# Altium PCB Cueing-PCB-Mk3_552024.PcbDoc
Units mm, origin at the board's own origin, x right, y up, seen from the top; angles counter-clockwise.
Board outline 67.06 x 65.41 mm, 4 copper layers (Top Layer, Int1 (GND), Int2 (PWR), Bottom Layer), stack 1.586 mm thick; 96 components, 76 nets, 376 pads, 95 vias.
Unrouted connection lines stored in the file: 118.
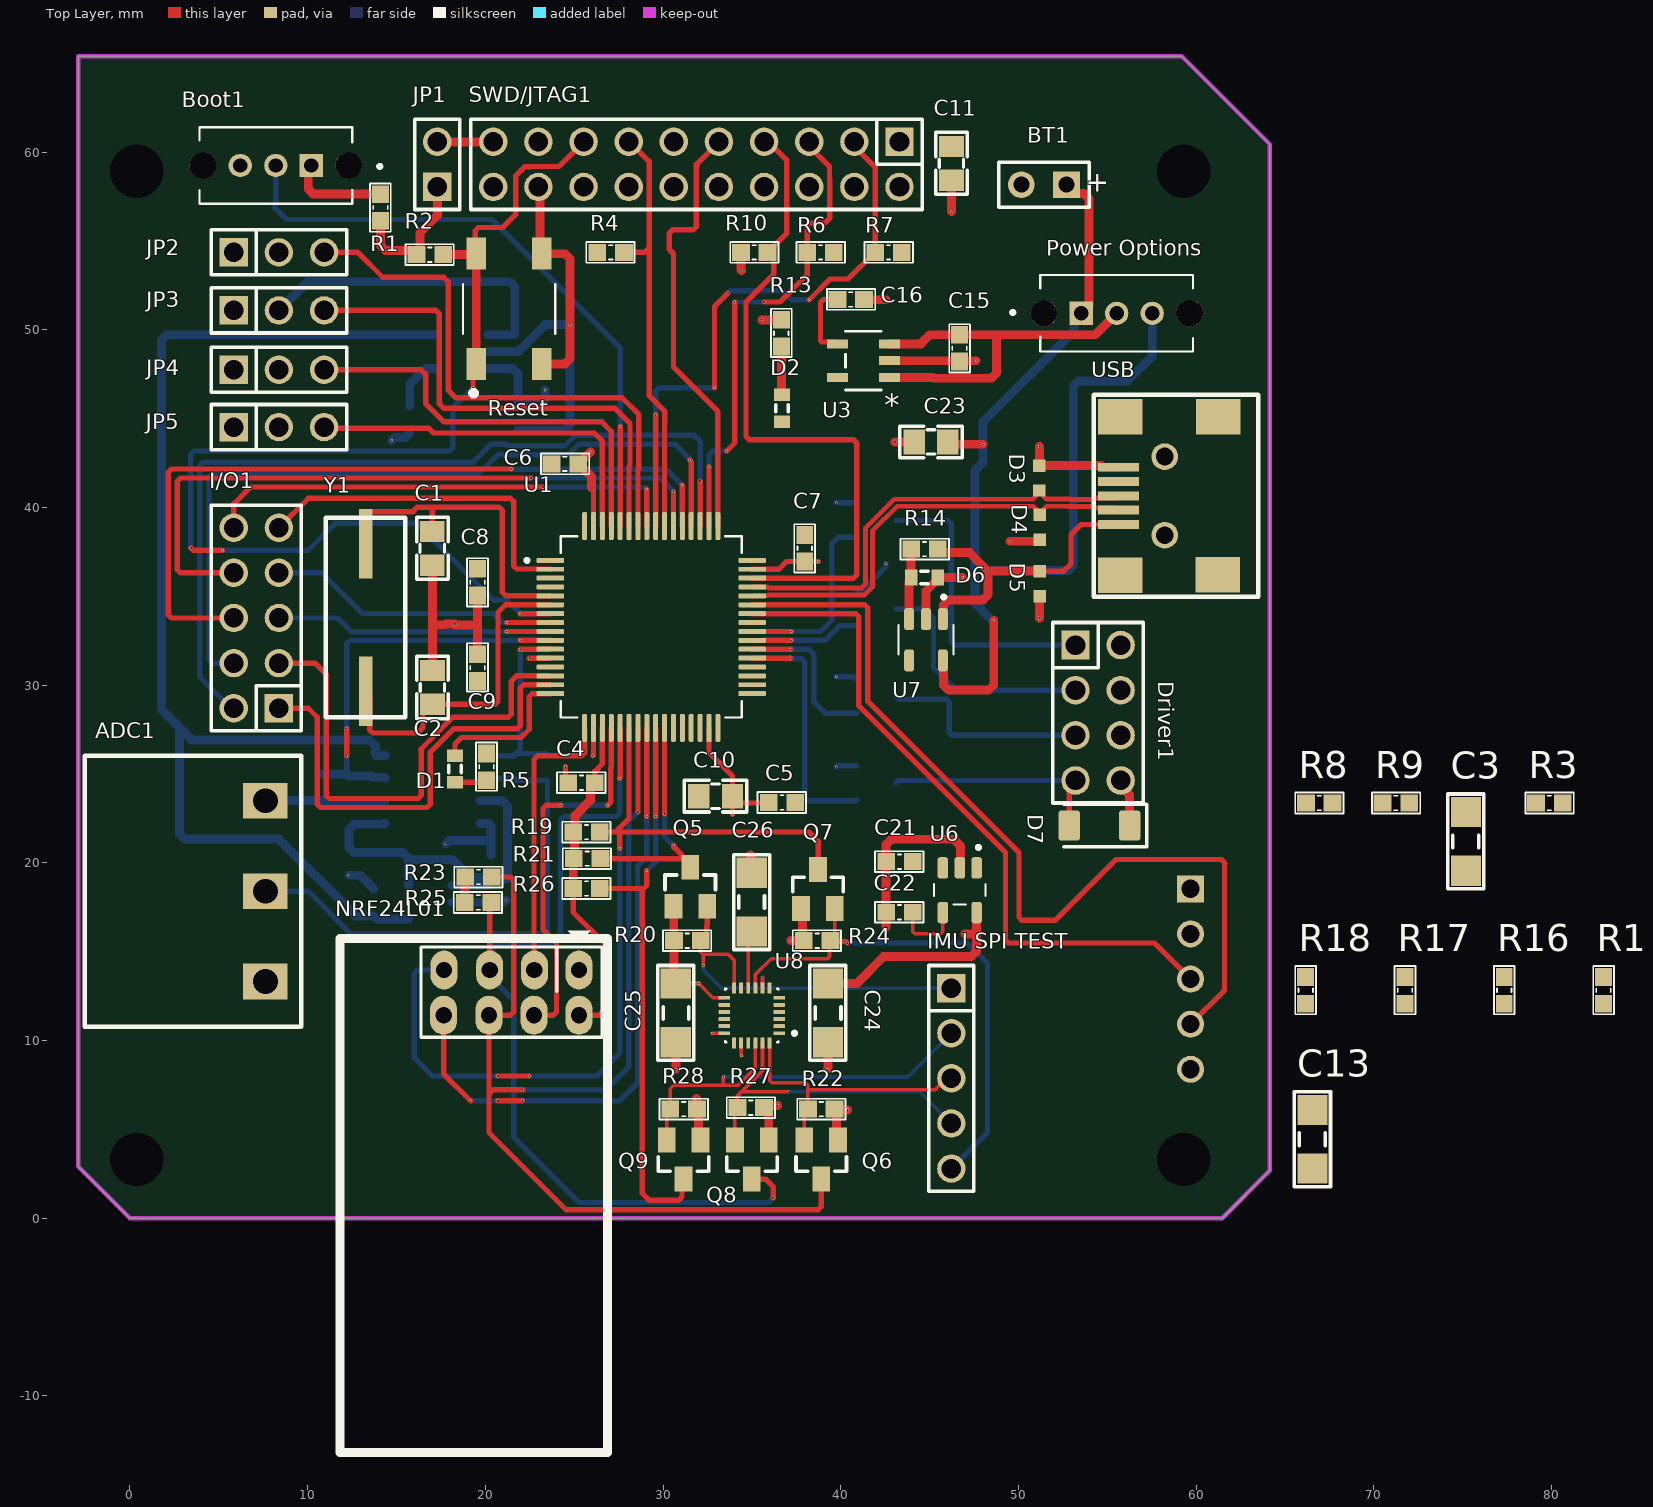
[diagram p0: Top Layer view]
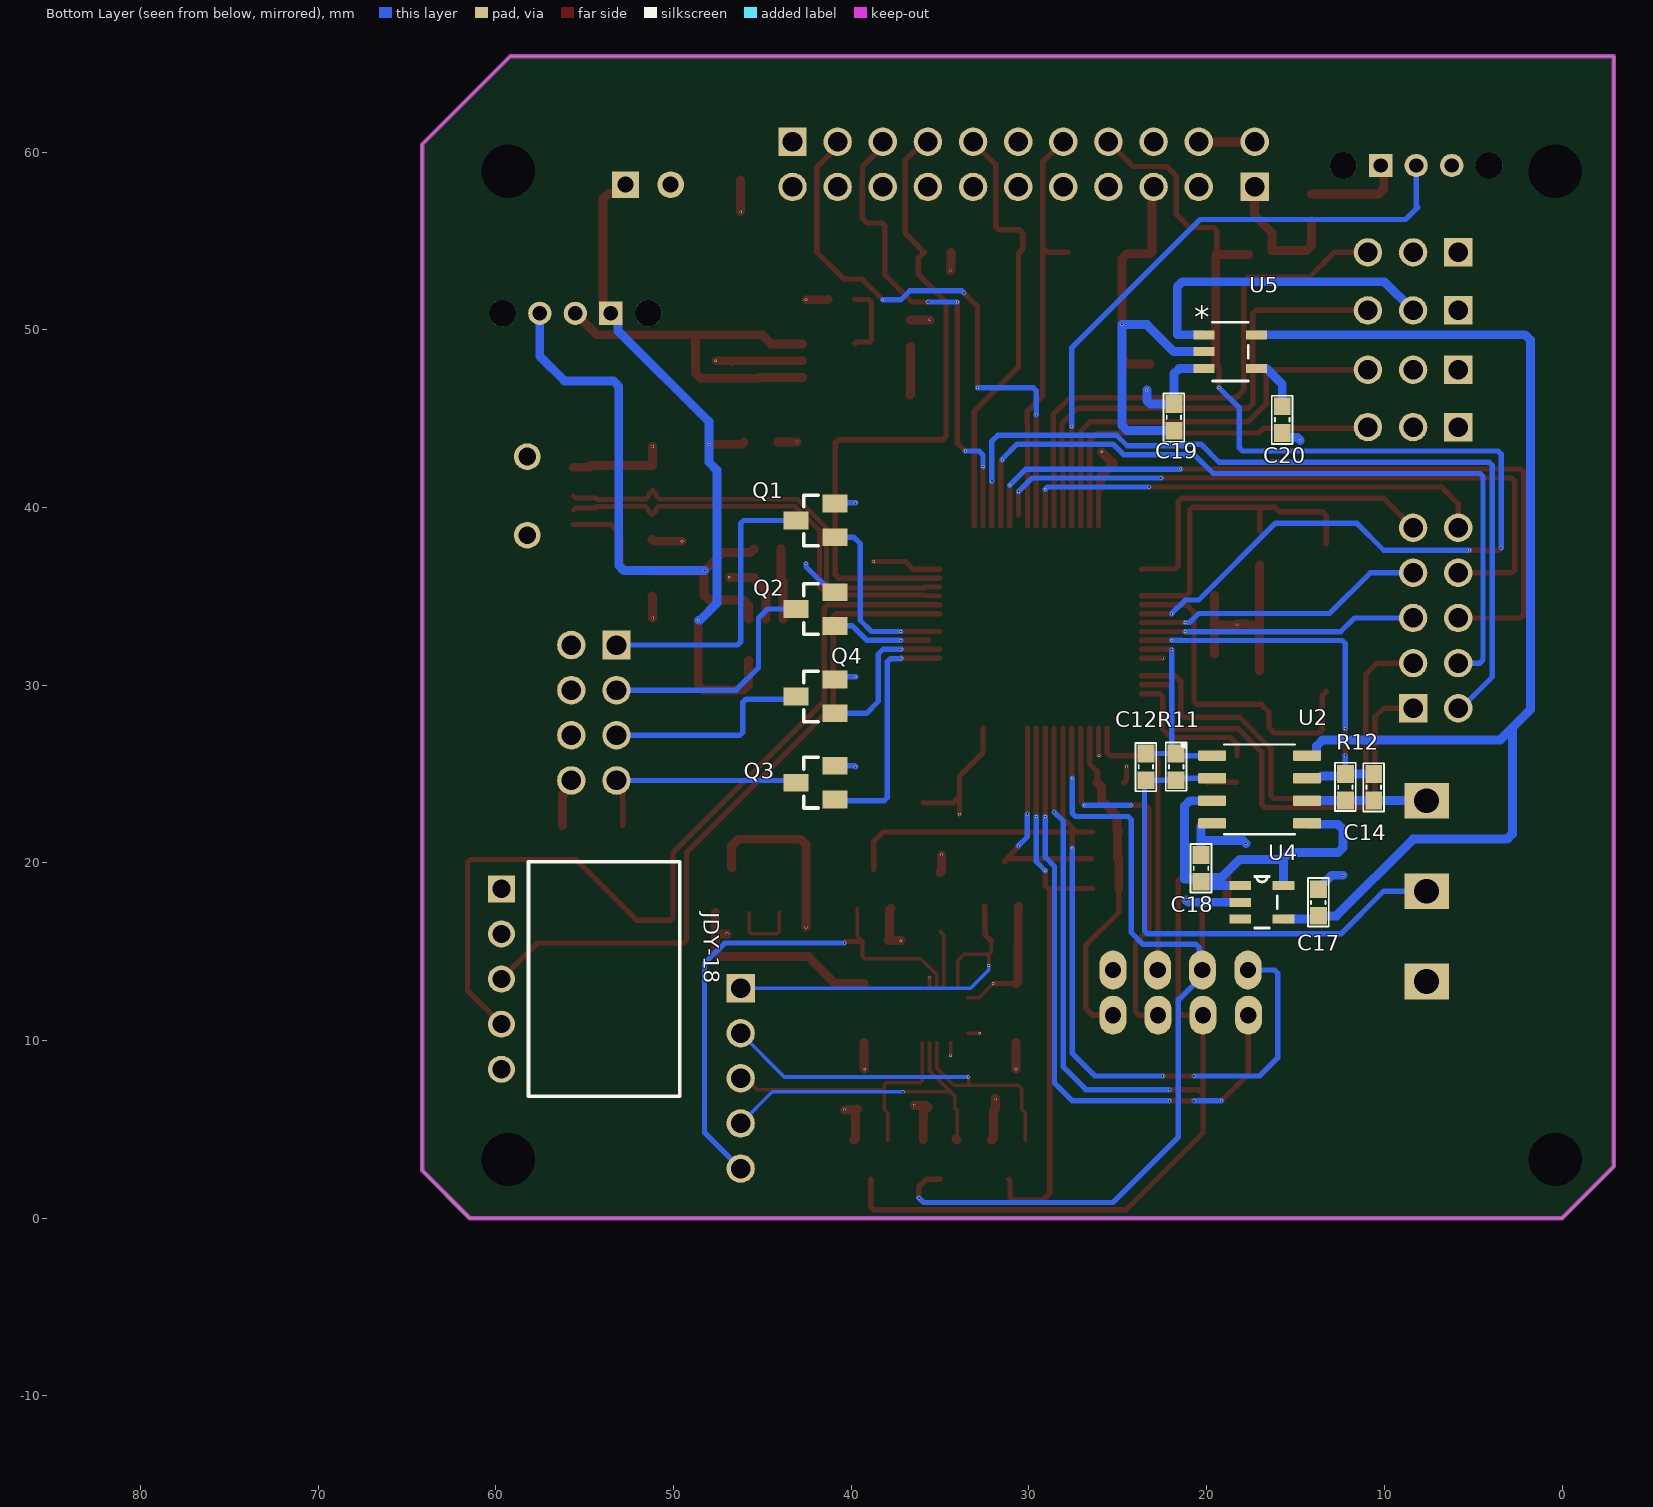
[diagram p1: Bottom Layer view, seen from below]

## Layer stack, top to bottom
Top Solder: solder mask 0.0254, SM-001, Dk 4
Top Layer: signal copper 0.035
Dielectric 1: prepreg 0.2104, PP-017, Dk 4.4
Int1 (GND): signal copper 0.0152
Dielectric 3: core 1.065, Core-039, Dk 4.6
Int2 (PWR): signal copper 0.0152
Dielectric 5: prepreg 0.2104, PP-017, Dk 4.4
Bottom Layer: signal copper 0.035
Bottom Solder: solder mask 0.0254, SM-001, Dk 4

## Board outline
0,0 -2.921,2.921 -2.921,65.405 59.182,65.405 64.135,60.452 64.135,2.667 61.468,0

## Design rules (kind name [scope] priority, off if disabled: settings)
Clearance [All] p1: gap=0.2 ignorepadtopadclearanceinfootprint=FALSE
DiffPairsRouting [All] p1: maxlimit=0.254 minlimit=0.127 mostfreqgap=0.254 toplayer_maxgap=0.127 toplayer_prefgap=0.127 toplayer_minwidth=0.269 toplayer_maxwidth=0.269 toplayer_prefwidth=0.269 bottomlayer_maxgap=0.127 bottomlayer_prefgap=0.127 bottomlayer_minwidth=0.269 bottomlayer_maxwidth=0.269 bottomlayer_prefwidth=0.269 impedanceprofiledriven=TRUE impedanceprofileid={935DD83C-B95B-4A11-8483-0F46FF06F7F2} impedanceprofilevalue=90.000000 maxuncoupledlength=12.7
HoleSize [All] p1: absolutevalues=TRUE maxlimit=5 minlimit=0.025 maxpercent=80.000 minpercent=20.000
PolygonConnect [All] p1: connectstyle=Relief reliefconductorwidth=0.254 reliefentries=4 polygonreliefangle="90 Angle" airgapwidth=0.254
RoomDefinition PWR_SRC [InComponentClass('PWR_SRC')] p1: confinementstyle=ConfineIn formatcopy=TRUE lockcomponents=FALSE outline 120.396,34.925 265.684,34.925 265.684,49.657 120.396,49.657
RoomDefinition STM32_MCU [InComponentClass('STM32_MCU')] p2: confinementstyle=ConfineIn formatcopy=TRUE lockcomponents=FALSE outline 120.396,50.927 309.626,50.927 309.626,79.375 120.396,79.375
RoomDefinition ADC [InComponentClass('ADC')] p3: confinementstyle=ConfineIn formatcopy=TRUE lockcomponents=FALSE outline 120.396,-33.02 161.036,-33.02 161.036,-14.605 120.396,-14.605
RoomDefinition Peripherial [InComponentClass('Peripherial')] p4: confinementstyle=ConfineIn formatcopy=TRUE lockcomponents=FALSE outline 120.396,1.143 260.604,1.143 260.604,33.655 120.396,33.655
RoomDefinition Driver [InComponentClass('Driver')] p5: confinementstyle=ConfineIn formatcopy=TRUE lockcomponents=FALSE outline 120.396,-13.335 197.485,-13.335 197.485,-0.127 120.396,-0.127
RoutingVias [All] p1: holewidth=0.1 width=0.15 viastyle="Through Hole" minholewidth=0.1 minwidth=0.15 maxholewidth=0.1 maxwidth=0.15
SilkToSolderMaskClearance [IsText] p1: minsilkscreentomaskgap=0.254 clearancetoexposedcopper=TRUE
SolderMaskExpansion [All] p1: expansion=0.102 istentingtop=FALSE
Width [All] p1: maxlimit=0.5 minlimit=0.2 preferedwidth=0.3 midlayer1_minwidth=0.254 midlayer1_maxwidth=0.254 midlayer1_prefwidth=0.254 midlayer2_minwidth=0.254 midlayer2_maxwidth=0.254 midlayer2_prefwidth=0.254 minimp=50.000000 maximp=50.000000 favimp=50.000000
27 further rules are at their usual default settings.

## Classes and differential pairs
differential pair class diff90: USB
component class STM32_MCU: Boot1 C1 C2 C3 C4 C5 C6 C7 C8 C9 C10 C11 D1 I/O1 JP1 JP2 JP3 JP4 JP5 R1 R2 R3 R4 R5 R6 R7 R8 R9 R10 Reset SWD/JTAG1 U1 Y1
component class PWR_SRC: BT1 C15 C16 C17 C18 C19 C20 C21 C22 C23 D2 D3 D4 D5 D6 "Power Options" R13 R14 U3 U4 U5 U6 U7 USB
component class Peripherial: C24 C25 C26 "IMU SPI TEST" JDY-18 NRF24L01 Q5 Q6 Q7 Q8 Q9 R19 R20 R21 R22 R23 R24 R25 R26 R27 R28 U8
component class Driver: D7 Driver1 Q1 Q2 Q3 Q4 R15 R16 R17 R18
component class ADC: ADC1 C12 C13 C14 R11 R12 U2
differential pair USB: +USB_P -USB_N

## Components (designator, comment, footprint, x,y, rotation, side; value= is the part's Value field where it differs from the comment)
ADC1 "CON 3 EDG5.08" "CON 3 3EDG5.08" 7.62,13.322 r90 top
Boot1 "OS102011MS2QN1" SW_OS102011MS2QN1 8.207,59.247 r180 top
BT1 "Battery" BAT-2 51.435,58.166 r180 top
C1 "20pF" "tu 0805" 17.018,37.707 r270 top
C2 "20pF" "tu 0805" 17.016,29.869 r90 top
C3 "104" "tu 1206" 75.184,21.209 r90 top
C4 "103" "tu 0603" 25.412,24.511 r180 top
C5 "103" "tu 0603" 36.694,23.398 r180 top
C6 "103" "tu 0603" 24.48,42.454 r0 top
C7 "103" "tu 0603" 37.973,37.707 r270 top
C8 "103" "tu 0603" 19.558,35.802 r270 top
C9 "103" "tu 0603" 19.558,30.988 r90 top
C10 "225" "tu 0805" 32.955,23.752 r0 top
C11 "225" "tu 0805" 46.231,59.374 r270 top
C12 "470pF" "tu 0603" 23.419,25.4 r270 bottom
C13 "105" "tu 1206" 66.548,4.445 r90 top
C14 "470pF" "tu 0603" 10.599,24.257 r270 bottom
C15 "105" "tu 0603" 46.688,48.971 r270 top
C16 "105" "tu 0603" 40.567,51.707 r0 top
C17 "105" "tu 0603" 13.716,17.768 r90 bottom
C18 "105" "tu 0603" 20.32,19.685 r90 bottom
C19 "105" "tu 0603" 21.844,45.073 r270 bottom
C20 "105" "tu 0603" 15.748,44.946 r270 bottom
C21 "105" "tu 0603" 43.307,20.066 r180 top
C22 "105" "tu 0603" 43.307,17.22 r180 top
C23 "10pF" "tu 0805" 45.085,43.688 r180 top
C24 "104" "tu 1206" 39.279,11.557 r270 top
C25 "104" "tu 1206" 30.72,11.557 r270 top
C26 "104" "tu 1206" 34.998,17.79 r90 top
D1 "LED GREEN" J1-0603 18.288,25.285 r90 top
D2 "LED GREEN" J1-0603 36.694,45.583 r90 top
D3 "AVRL161A1R1NTA" TVS_AVRL161A1R1NTA 51.181,41.656 r90 top
D4 "AVRL161A1R1NTA" TVS_AVRL161A1R1NTA 51.21,38.889 r270 top
D5 "AVRL161A1R1NTA" TVS_AVRL161A1R1NTA 51.21,35.715 r270 top
D6 "LED RED" J1-0603 44.716,36.068 r0 top
D7 "Schottky-Diode" SOD-80_MiniMELF_Glass 54.561,22.098 r180 top value=Shottky-Diode
Driver1 "JP 2x4 2.54" "JP 2x4 DT" 54.483,28.448 r270 top
I/O1 "JP 2x5 2.54" "JP 2x5 DT" 7.112,33.782 r90 top
"IMU SPI TEST" "" "JP 1x5 DT" 46.228,12.954 r270 top
JDY-18 "JP 1x5 2.54" "JP 1x5 CC" 59.69,13.462 r270 bottom
JP1 "JP 1x2 2.54" "JP 1x2 DT" 17.298,58.039 r90 top
JP2 "JP 1x3 2.54" "JP 1x3 DT" 5.842,54.356 r0 top
JP3 "JP 1x3 2.54" "JP 1x3 DT" 5.842,51.091 r0 top
JP4 "JP 1x3 2.54" "JP 1x3 DT" 5.842,47.753 r0 top
JP5 "JP 1x3 2.54" "JP 1x3 DT" 5.842,44.526 r0 top
NRF24L01 "NRF24L01 Module" NRF24L01 25.273,13.97 r180 top
"Power Options" "OS102011MS2QN1" SW_OS102011MS2QN1 55.531,50.927 r0 top
Q1 "SI2312" SOT23 42.015,39.27 r90 bottom
Q2 "SI2312" SOT23 42.015,34.285 r90 bottom
Q3 "SI2312" SOT23 42.015,24.511 r90 bottom
Q4 "SI2312" SOT23 42.015,29.364 r90 bottom
Q5 "SI2312" SOT23 31.532,18.656 r0 top
Q6 "SI2312" SOT23 38.903,3.3 r180 top
Q7 "SI2312" SOT23 38.719,18.529 r0 top
Q8 "SI2312" SOT23 34.998,3.3 r180 top
Q9 "SI2312" SOT23 31.156,3.3 r180 top
R1 "10k" "tro smd 0603" 14.097,56.884 r270 top
R2 "10k" "tro smd 0603" 16.879,54.229 r180 top
R3 "0R" "tro smd 0603" 79.883,23.368 r0 top
R4 "0R" "tro smd 0603" 27.051,54.356 r180 top
R5 "1k" "tro smd 0603" 20.066,25.4 r90 top
R6 "4.7k" "tro smd 0603" 38.862,54.356 r0 top
R7 "4.7k" "tro smd 0603" 42.688,54.356 r0 top
R8 "4.7k" "tro smd 0603" 66.929,23.368 r0 top
R9 "4.7k" "tro smd 0603" 71.247,23.368 r0 top
R10 "4.7k" "tro smd 0603" 35.134,54.356 r0 top
R11 "3.9k" "tro smd 0603" 21.717,25.4 r90 bottom
R12 "3.9k" "tro smd 0603" 12.192,24.257 r90 bottom
R13 "1k" "tro smd 0603" 36.658,49.811 r90 top
R14 "1k" "tro smd 0603" 44.716,37.657 r0 top
R15 "220R" "tro smd 0603" 82.931,12.827 r90 top
R16 "220R" "tro smd 0603" 77.343,12.827 r90 top
R17 "220R" "tro smd 0603" 71.755,12.827 r90 top
R18 "220R" "tro smd 0603" 66.167,12.827 r90 top
R19 "2.2k" "tro smd 0603" 25.694,21.732 r180 top
R20 "2.2k" "tro smd 0603" 31.369,15.621 r180 top
R21 "2.2k" "tro smd 0603" 25.729,20.238 r180 top
R22 "2.2k" "tro smd 0603" 38.903,6.141 r0 top
R23 "2.2k" "tro smd 0603" 19.616,19.201 r180 top
R24 "2.2k" "tro smd 0603" 38.67,15.621 r180 top
R25 "2.2k" "tro smd 0603" 19.594,17.768 r180 top
R26 "2.2k" "tro smd 0603" 25.694,18.555 r180 top
R27 "2.2k" "tro smd 0603" 34.937,6.223 r0 top
R28 "2.2k" "tro smd 0603" 31.156,6.141 r0 top
Reset "SKQGAFE010" SW_SKQGAFE010 21.336,51.181 r90 top
SWD/JTAG1 "JP 2x10 2.54" "JP 2x10 DT" 31.877,59.309 r180 top
U1 "STM32F446RET6" QFP50P1200X1200X160-64N 29.337,33.274 r0 top
U2 "OPA2335AID" SOIC127P599X175-8N 17.018,24.13 r180 bottom
U3 "TPS73630DBVR" DBV5-M 41.275,48.26 r180 top
U4 "LT6650IS5#TRPBF" SOT95P280X100-5N 16.891,17.78 r180 bottom
U5 "TPS73630DBVR" DBV5-M 18.669,48.768 r180 bottom
U6 "TPS73618DBVTG4" SOT95P280X145-5N 46.699,18.459 r270 top
U7 "MAX1555EZK+T" SOT95P275X110-5N 44.799,32.556 r270 top
U8 "ICM-20948" QFN40P300X300X105-24N 34.998,11.409 r180 top
USB "MINI_USB_Grounding" MINI_USB 55.643,39.042 r180 top
Y1 "FOXSDLF/160-20" SMD_Crystal 11.03,39.433 r270 top

## Footprints (in the part's own frame and the unit in brackets; to place one, negate y for a bottom-side part, rotate by r counter-clockwise, add the part's x,y. Pads: shape width x height; smd on the part's side, far side on the other; paste and mask are expansions set on the pad)
BAT-2 [mm] "Battery; 2 Leads"
  rect 1.5x1.5 hole 0.9: 1(-1.27,0)
  round 1.5 hole 0.9: 2(1.27,0)
  silkscreen extent -2.54,-1.27 2.54,1.27
"CON 3 3EDG5.08" [mm]
  rect 2x2.5 hole 1.4: 1(0,0) 2(5.08,0) 3(10.173,0)
  silkscreen extent -2.54,-2.03 12.71,10.16, body extent -2.5,-1.75 12.67,10.25, height 3.15
DBV5-M [mil]
  rect 46.5x20 smd paste+0 mask+0: 1(-57.75,37.4) 2(-57.75,0) 3(-57.75,-37.4) 4(57.75,-37.4) 5(57.75,37.4)
  silkscreen extent -40,-65 40,65, body extent -59,-60 59,60, height 57
J1-0603 [mm] "Chip Resistor, Body 1.6x0.8mm, IPC High Density"
  rect 0.7x0.9 smd: 1(-0.75,0) 2(0.75,0)
  silkscreen extent -0.2,-0.35 0.2,0.35, body extent -0.85,-0.48 0.85,0.48, height 0.9
"JP 1x2 DT" [mm] "2 pins, 1 row, straight, gold plating"
  rect 1.6x1.6 hole 1.1: 1(0,0)
  round 1.6 hole 1.1: 2(2.54,0)
  silkscreen extent -1.27,-1.27 3.81,1.27, body extent -1.27,-1.27 3.81,1.27, height 8.54
"JP 1x3 DT" [mm]
  rect 1.6x1.6 hole 1.1: 1(0,0)
  round 1.6 hole 1.1: 2(2.54,0) 3(5.08,0)
  silkscreen extent -1.27,-1.27 6.35,1.27, body extent -1.27,-1.27 6.35,1.27, height 8.54
"JP 1x5 CC" [mm]
  rect 1.52x1.52 hole 1.02: 1(-5.08,0)
  round 1.52 hole 1.02: 2(-2.54,0) 3(0,0) 4(2.54,0) 5(5.08,0)
  silkscreen extent -6.6,1.52 6.6,10.05, body extent -6.6,-0.25 6.6,10.05, height 2.51
"JP 1x5 DT" [mm] "5 pins, 1 row, straight, gold plating"
  rect 1.6x1.6 hole 1.1: 1(0,0)
  round 1.6 hole 1.1: 2(2.54,0) 3(5.08,0) 4(7.62,0) 5(10.16,0)
  silkscreen extent -1.27,-1.27 11.43,1.27, body extent -1.27,-1.27 11.43,1.27, height 8.54
"JP 2x4 DT" [mm]
  rect 1.61x1.6 hole 1.1: 1(-3.81,-1.27)
  oval 1.61x1.6 hole 1.1: 2(-1.27,-1.27) 3(1.27,-1.27) 4(3.81,-1.27) 5(3.81,1.27) 6(1.27,1.27) 7(-1.27,1.27) 8(-3.81,1.27)
  silkscreen extent -5.08,-2.54 5.08,2.54, body extent -5.08,-2.54 5.08,2.54, height 8.55
"JP 2x5 DT" [mm] "10 pins, dual pin, straight, gold plating"
  rect 1.6x1.6 hole 1.1: 1(-5.08,-1.27)
  round 1.6 hole 1.1: 2(-2.54,-1.27) 3(0,-1.27) 4(2.54,-1.27) 5(5.08,-1.27) 6(5.08,1.27) 7(2.54,1.27) 8(0,1.27) 9(-2.54,1.27) 10(-5.08,1.27)
  silkscreen extent -6.35,-2.54 6.35,2.54, body extent -6.35,-2.54 6.35,2.54, height 8.55
"JP 2x10 DT" [mm] "20 pins, dual pin, straight, gold plating"
  rect 1.6x1.6 hole 1.1: 1(-11.43,-1.27)
  round 1.6 hole 1.1: 2(-8.89,-1.27) 3(-6.35,-1.27) 4(-3.81,-1.27) 5(-1.27,-1.27) 6(1.27,-1.27) 7(3.81,-1.27) 8(6.35,-1.27) 9(8.89,-1.27) 10(11.43,-1.27) 11(11.43,1.27) 12(8.89,1.27) 13(6.35,1.27) 14(3.81,1.27) 15(1.27,1.27) 16(-1.27,1.27) 17(-3.81,1.27) 18(-6.35,1.27) 19(-8.89,1.27) 20(-11.43,1.27)
  silkscreen extent -12.7,-2.54 12.7,2.54, body extent -12.7,-2.54 12.7,2.54, height 8.55
MINI_USB [mm]
  rect 2.3x0.5 smd: 1(0,0) 2(0,-0.81) 3(0,-1.61) 4(0,-2.41) 5(0,-3.22)
  rect 2.5x2 smd: 6(-0.1,-6.07) 7(-5.6,-6.07) 8(-5.58,2.83) 9(-0.1,2.85)
  round 1.5 hole 1 unplated: ""(-2.59,0.6) ""(-2.59,-3.82)
  silkscreen extent -7.85,-7.31 1.41,4.07
NRF24L01 [mil]
  oval 60x86 hole 36: 1(0,0) 2(0,100) 3(99,0) 4(100,100) 5(198,0) 6(199.5,100) 7(299,0) 8(300,100)
  silkscreen extent -63,-86 530,1069, body extent -73,-74 518,1068, height 588
QFN40P300X300X105-24N [mm]
  rrect25% 0.64x0.22 smd: 1(-1.545,1) 2(-1.545,0.6) 3(-1.545,0.2) 4(-1.545,-0.2) 5(-1.545,-0.6) 6(-1.545,-1) 13(1.545,-1) 14(1.545,-0.6) 15(1.545,-0.2) 16(1.545,0.2) 17(1.545,0.6) 18(1.545,1)
  rrect25% 0.22x0.64 smd: 7(-1,-1.545) 8(-0.6,-1.545) 9(-0.2,-1.545) 10(0.2,-1.545) 11(0.6,-1.545) 12(1,-1.545) 19(1,1.545) 20(0.6,1.545) 21(0.2,1.545) 22(-0.2,1.545) 23(-0.6,1.545) 24(-1,1.545)
  silkscreen extent -2.5,-1.5 1.5,1.5, body extent -1.5,-1.5 1.5,1.5, height 1
QFP50P1200X1200X160-64N [mm]
  rrect50% 1.56x0.28 smd: 1(-5.68,3.75) 2(-5.68,3.25) 3(-5.68,2.75) 4(-5.68,2.25) 5(-5.68,1.75) 6(-5.68,1.25) 7(-5.68,0.75) 8(-5.68,0.25) 9(-5.68,-0.25) 10(-5.68,-0.75) 11(-5.68,-1.25) 12(-5.68,-1.75) 13(-5.68,-2.25) 14(-5.68,-2.75) 15(-5.68,-3.25) 16(-5.68,-3.75) 33(5.68,-3.75) 34(5.68,-3.25) 35(5.68,-2.75) 36(5.68,-2.25) 37(5.68,-1.75) 38(5.68,-1.25) 39(5.68,-0.75) 40(5.68,-0.25) 41(5.68,0.25) 42(5.68,0.75) 43(5.68,1.25) 44(5.68,1.75) 45(5.68,2.25) 46(5.68,2.75) 47(5.68,3.25) 48(5.68,3.75)
  rrect50% 0.28x1.56 smd: 17(-3.75,-5.68) 18(-3.25,-5.68) 19(-2.75,-5.68) 20(-2.25,-5.68) 21(-1.75,-5.68) 22(-1.25,-5.68) 23(-0.75,-5.68) 24(-0.25,-5.68) 25(0.25,-5.68) 26(0.75,-5.68) 27(1.25,-5.68) 28(1.75,-5.68) 29(2.25,-5.68) 30(2.75,-5.68) 31(3.25,-5.68) 32(3.75,-5.68) 49(3.75,5.68) 50(3.25,5.68) 51(2.75,5.68) 52(2.25,5.68) 53(1.75,5.68) 54(1.25,5.68) 55(0.75,5.68) 56(0.25,5.68) 57(-0.25,5.68) 58(-0.75,5.68) 59(-1.25,5.68) 60(-1.75,5.68) 61(-2.25,5.68) 62(-2.75,5.68) 63(-3.25,5.68) 64(-3.75,5.68)
  silkscreen extent -7.1,-5.1 5.1,5.1
SMD_Crystal [mm]
  rect 3.9x0.75 smd: 1(1.476,2.235) 2(9.776,2.235)
  silkscreen extent 0,0 11.25,4.47
SOD-80_MiniMELF_Glass [mm]
  rrect25% 1.2x1.7 smd: A(1.7,0) K(-1.7,0)
  silkscreen extent -2.65,-1.2 2,1.2, body extent -1.76,-0.74 1.74,0.74, height 1.46
SOIC127P599X175-8N [mm]
  rrect25% 1.58x0.6 smd: 1(-2.67,1.905) 2(-2.67,0.635) 3(-2.67,-0.635) 4(-2.67,-1.905) 5(2.67,-1.905) 6(2.67,-0.635) 7(2.67,0.635) 8(2.67,1.905)
  silkscreen extent -4.35,-2.52 1.99,2.6, body extent -3,-2.45 3,2.45, height 1.75
SOT23 [mm]
  rect 1x1.4 smd: 1(-0.95,-1.1) 2(0.95,-1.1) 3(0,1.1)
  silkscreen extent -1.42,-0.15 1.42,0.66, body extent -1.18,-1.46 1.19,1.46, height 1.25
SOT95P275X110-5N [mm]
  rrect50% 1.24x0.55 smd: 1(-1.16,0.95) 2(-1.16,0) 3(-1.16,-0.95) 4(1.16,-0.95) 5(1.16,0.95)
  silkscreen extent -2.5,-1.55 0.83,1.55
SOT95P280X100-5N [mil]
  rect 48x20 smd: 1(-48,37) 2(-48,0) 3(-48,-37) 4(48,-37) 5(48,37)
  silkscreen extent -16,-57 34,57, body extent -55,-57 55,57, height 39
SOT95P280X145-5N [mm]
  rrect50% 1.21x0.59 smd: 1(-1.255,0.95) 2(-1.255,0) 3(-1.255,-0.95) 4(1.255,-0.95) 5(1.255,0.95)
  silkscreen extent -2.51,-1.45 0.8,1.45, body extent -1.4,-1.45 1.4,1.45, height 1.45
SW_OS102011MS2QN1 [mm]
  rect 1.308x1.308 hole 0.8: 1(-2,0)
  round 1.308 hole 0.8: 2(0,0) 3(2,0)
  round 1.5 hole 1.5 unplated: ""(-4.1,0) ""(4.1,0)
  silkscreen extent -5.95,-2.15 4.3,2.15, body extent -4.3,-2.15 4.3,2.15, height 4.4
SW_SKQGAFE010 [mm]
  rect 1.8x1.1 smd: 1(-3.1,1.85) 2(3.1,1.85) 3(-3.1,-1.85) 4(3.1,-1.85)